# KiCad board Backplane_v2.kicad_pcb (continued)
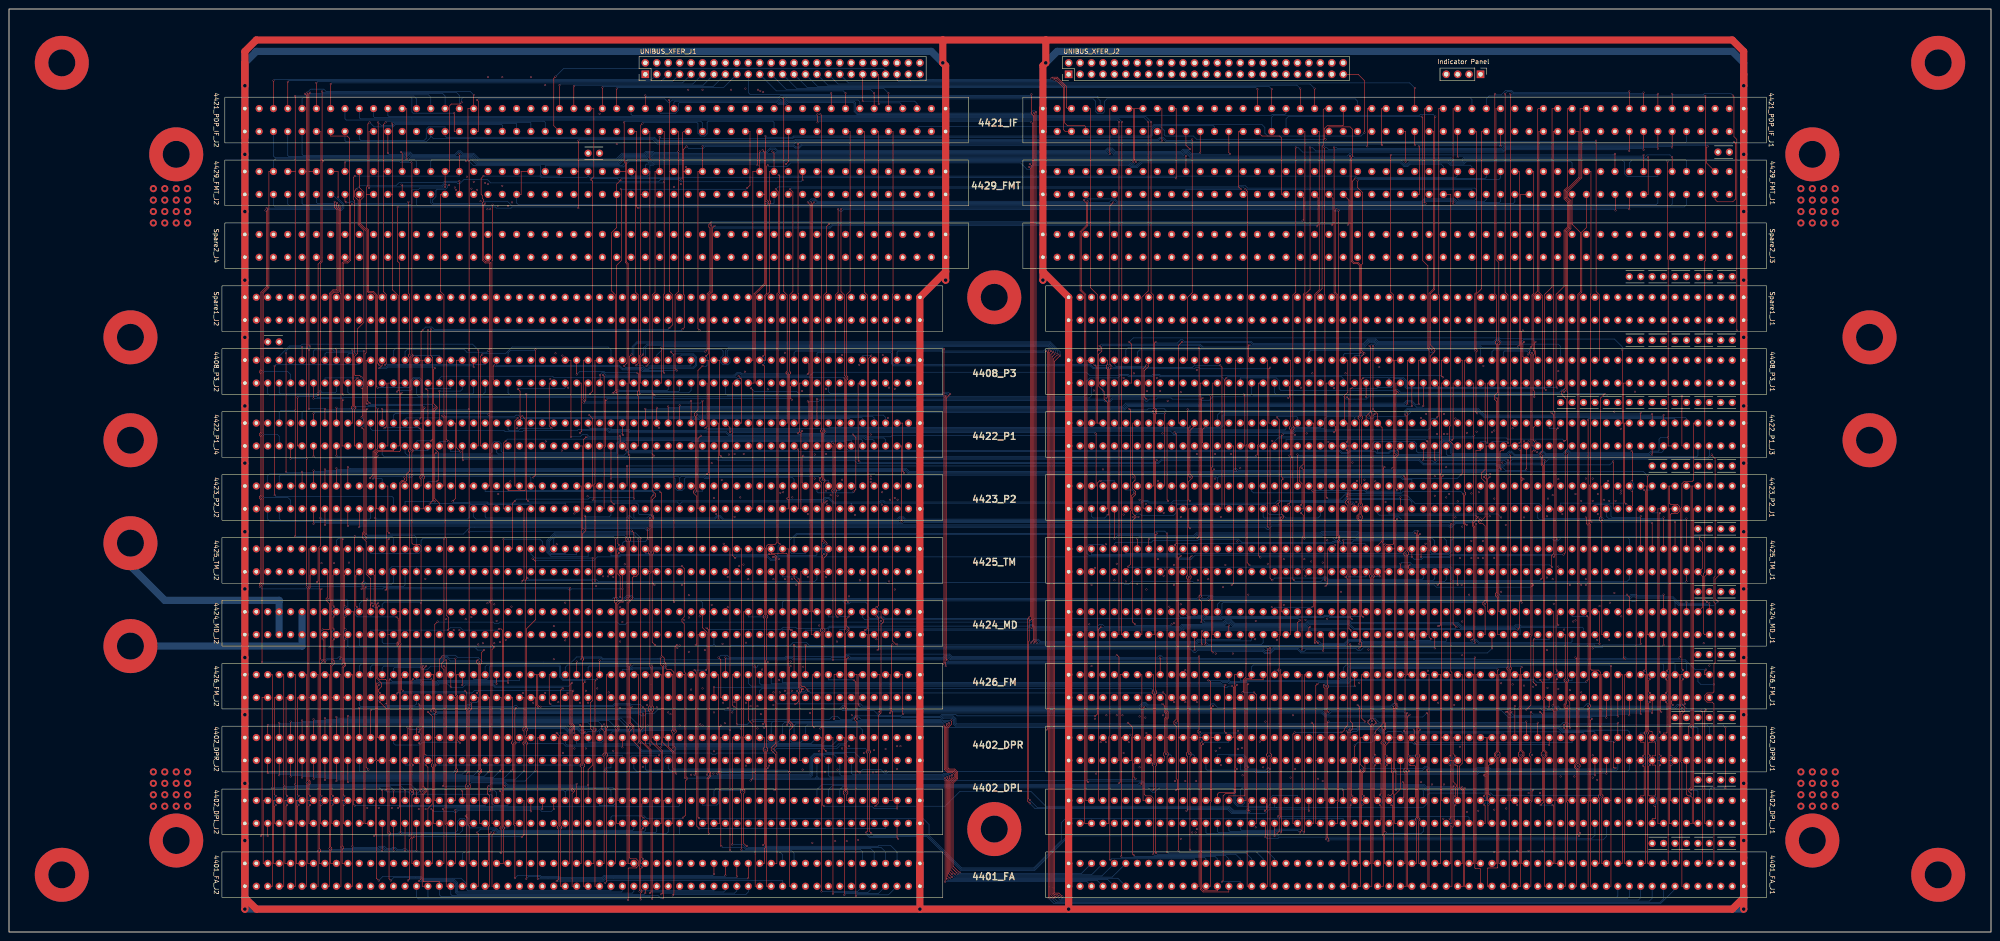
[diagram p0: board, top side]
## Routing (per net, layer and track width the routed paths; a pad name or vN(x,y) marks a point on that pad's centre or on a via; arc(x,y) is an arc through that point) (continued)
UNFL*: length 27.4
  F.SigTop w0.127: 4421_PDP_IF_J1.72 272.96,177.8 272.96,165.48 v2(273.47,164.97)
  B.Sig.Top w0.127: v2(273.47,164.97) 261.27,164.97 4429_FMT_J1.80
USECB*: length 89.8
  F.Sig.In w0.127: 4423_P2_J1.108 250.99,94.49 v2(250.99,96.01) ; 4408_P3_J2.7 195.62,127 195.62,121.41 195.87,121.16 195.87,96.52 196.63,95.76 197.01,95.76 v2(197.27,96.01)
  B.Sig.In w0.127: v2(250.99,96.01) 250.48,95.5 197.77,95.5 v2(197.27,96.01)
USEPNL*: length 170.9
  F.SigTop w0.127: 4422_P1_J4.35 160.06,112.01 v2(160.06,111) ; 4408_P3_J1.56 317.28,121.16 317.28,114.55 v2(317.03,114.3)
  B.Sig.Top w0.127: v2(317.03,114.3) 316.77,114.05 315.88,114.05 315.5,113.66 315.5,112.01 315,111.51 285.53,111.51 285.02,111 259.37,111 258.86,110.49 258.61,110.49 257.85,111.25 181.39,111.25 180.88,110.74 175.93,110.74 175.42,111.25 160.31,111.25 v2(160.06,111)
USEPSA*: length 174.2
  F.SigTop w0.127: v2(318.3,123.19) 318.04,123.44 318.04,127 4408_P3_J1.53 ; v2(161.96,123.44) 162.6,122.81 162.6,113.03 4422_P1_J4.33
  B.Sig.Top w0.127: v2(318.3,123.19) 317.92,123.57 255.69,123.57 255.43,123.82 253.91,123.82 253.65,123.57 248.7,123.57 248.45,123.82 246.54,123.82 246.29,123.57 239.94,123.57 239.18,124.33 178.6,124.33 177.71,123.44 v2(161.96,123.44)
WDPI: length 272
  F.SigTop w0.127: v2(100.75,104.77) 100.75,107.82 4422_P1_J4.82 ; 4423_P2_J1.24 356.14,93.98 v2(356.14,104.52)
  B.Sig.Top w0.127: v2(100.75,104.77) 101,105.03 157.13,105.03 157.39,104.77 187.62,104.77 188.38,104.01 255.18,104.01 255.94,104.77 312.96,104.77 313.98,103.76 329.98,103.76 330.24,103.5 331.89,103.5 332.14,103.76 355.38,103.76 v2(356.14,104.52)
WRTEXP: length 192.4
  F.SigTop w0.127: 264.2,99.06 v2(264.2,129.79) ; 264.2,99.06 264.2,87.88 v2(263.81,87.5) ; 264.2,99.06 4423_P2_J1.97 ; v2(375.31,87.75) 375.31,87.13 375.96,86.49 375.96,80.77 375.19,80.01 4425_TM_J1.10 375.96,78.99 375.96,72.14 4424_MD_J1.9
  B.Sig.Top w0.127: v2(264.2,129.79) 248.45,129.79 247.94,129.29 4408_P3_J1.109 ; v2(375.31,87.75) 375.17,87.88 299.38,87.88 299.12,88.14 291.75,88.14 291.5,87.88 264.2,87.88 v2(263.81,87.5)
WRTHM: length 200.2
  F.SigTop w0.127: v2(372.4,73.28) 4424_MD_J1.11 ; 264.7,93.98 264.7,118.36 v2(264.96,118.62) ; 264.7,93.98 4423_P2_J1.96 ; 264.7,93.98 v2(264.7,74.29) ; v2(243.62,118.62) 243.88,118.87 243.88,124.97 243.62,125.22 243.62,125.86 243.88,126.11 243.88,127 4408_P3_J1.113 ; v2(376.97,73.28) 376.46,73.79 376.46,78.99 4425_TM_J1.8
  B.Sig.Top w0.127: v2(243.62,118.62) 243.88,118.87 264.7,118.87 v2(264.96,118.62) ; v2(376.97,73.28) 376.72,73.02 372.65,73.02 v2(372.4,73.28) 372.15,73.02 370.88,73.02 369.48,74.42 361.35,74.42 361.1,74.68 360.14,74.68 359.64,74.17 267.24,74.17 266.86,74.55 266.36,74.55 265.85,74.04 264.96,74.04 v2(264.7,74.29)
WRTLM: length 196.4
  F.SigTop w0.127: 266.74,98.93 266.61,99.06 4423_P2_J1.95 ; 266.74,98.93 v2(266.74,119.13) ; 266.74,98.93 266.74,73.91 v2(266.48,73.66) ; v2(379.38,73.41) 378.75,74.04 378.75,78.36 380.02,79.63 4425_TM_J1.6
  B.Sig.Top w0.127: 369.86,73.28 369.48,73.66 361.22,73.66 360.97,73.41 360.34,73.41 360.08,73.66 v2(266.48,73.66) ; 369.86,73.28 370.62,72.52 378.5,72.52 v2(379.38,73.41) ; 369.86,73.28 4424_MD_J1.13 ; 4408_P3_J1.114 242.86,119.76 243.5,119.13 v2(266.74,119.13)
X01: length 76.5
  F.SigTop w0.127: 4423_P2_J1.9 373.67,99.06 373.67,45.72 v2(373.42,45.47) 373.67,45.21 373.67,31.75 v2(373.42,31.5)
  B.Sig.Top w0.127: v2(373.42,45.47) 374.69,45.47 374.94,45.21 4402_DPR_J1.9 ; v2(373.42,31.5) 374.69,31.5 374.94,31.24 4402_DPL_J1.9
X02: length 73.1
  F.SigTop w0.127: 4423_P2_J1.11 373.42,99.06 373.42,46.1 372.91,45.59 372.91,43.69 4402_DPR_J1.11 373.42,43.18 373.42,32.13 372.91,31.62 372.91,31.24 v2(373.42,30.73)
  B.Sig.Top w0.127: 4402_DPL_J1.11 373.42,30.23 v2(373.42,30.73)
X03: length 77
  F.SigTop w0.127: 368.84,43.18 368.84,39.24 v2(369.1,38.99) ; 368.84,43.18 368.84,92.71 369.1,92.96 370.37,92.96 370.88,93.47 370.88,94.49 370.37,95 368.84,95 368.59,95.25 368.59,99.06 4423_P2_J1.13 ; 368.84,43.18 4402_DPR_J1.13 ; 4402_DPL_J1.13 368.84,29.21 368.84,36.96 v2(369.1,37.21)
  B.Sig.Top w0.127: v2(369.1,38.99) 368.84,38.74 368.84,37.47 v2(369.1,37.21)
X04: length 75.3
  F.SigTop w0.127: v2(367.83,56.13) 368.08,55.88 368.08,53.34 v2(367.83,53.09) ; v2(366.56,37.08) 366.3,36.83 366.3,29.21 4402_DPL_J1.15 ; v2(367.83,51.05) 368.08,50.8 368.08,44.32 367.96,44.2 367.32,44.2 4402_DPR_J1.15 366.3,43.18 366.3,39.5 v2(366.68,39.12) ; 4423_P2_J1.15 368.34,99.06 368.34,58.29 v2(368.08,58.04)
  B.Sig.Top w0.127: v2(367.83,51.05) 368.34,51.56 368.34,52.58 v2(367.83,53.09) ; v2(366.68,39.12) 366.3,38.74 366.3,37.34 v2(366.56,37.08) ; v2(367.83,56.13) 368.34,56.64 368.34,57.78 v2(368.08,58.04)
X05: length 75.9
  F.SigTop w0.127: v2(364.27,53.09) 364.02,53.34 364.02,55.88 v2(364.27,56.13) ; 4402_DPL_J1.17 364.78,30.23 364.14,30.23 364.02,30.35 364.02,36.83 v2(364.27,37.08) ; v2(364.27,39.12) 364.27,39.24 364.02,39.5 364.02,42.04 364.14,42.16 364.78,42.16 4402_DPR_J1.17 364.78,44.45 364.65,44.58 364.27,44.58 364.02,44.83 364.02,50.8 v2(364.27,51.05) ; v2(363,58.04) 363.26,58.29 363.26,97.92 v2(363,98.17)
  B.Sig.Top w0.127: v2(363,98.17) 364.78,98.17 4423_P2_J1.17 ; v2(364.27,56.13) 364.14,56.13 363.76,56.51 363.76,57.4 363.13,58.04 v2(363,58.04) ; v2(364.27,37.08) 363.76,37.59 363.76,38.61 v2(364.27,39.12) ; v2(364.27,51.05) 364.02,51.05 363.76,51.31 363.76,52.58 v2(364.27,53.09)
XECLKE*: length 112.8
  F.Sig.In w0.127: 4402_DPL_J1.49 325.16,29.21 325.16,60.45 324.9,60.71 324.9,64.39 325.16,64.64 325.16,82.8 325.41,83.06 325.41,90.04 325.16,90.3 325.16,91.19 325.41,91.44 325.41,96.65 v2(324.65,97.41)
  B.Sig.In w0.127: v2(324.65,97.41) 324.27,97.79 308.65,97.79 308.52,97.66 289.6,97.66 289.47,97.54 283.88,97.54 283.5,97.92 4423_P2_J1.81
XHMCLKE*: length 99
  F.Sig.In w0.127: 4423_P2_J1.82 282.48,93.98 282.48,92.84 282.99,92.33 282.99,92.08 282.48,91.57 282.48,80.9 281.98,80.39 281.98,65.4 v2(281.47,64.9) ; v2(322.62,61.47) 322.87,61.21 322.87,41.91 v2(322.11,41.15)
  B.Sig.In w0.127: v2(322.11,41.15) 323.5,41.15 324.14,41.78 4402_DPR_J1.49 ; v2(281.47,64.9) 300.64,64.9 301.15,64.39 301.15,62.61 301.79,61.98 322.11,61.98 v2(322.62,61.47)
XIA: length 117.5
  F.SigTop w0.127: 4402_DPR_J1.45 328.2,43.18 328.2,29.21 4402_DPL_J1.45
  F.Sig.In w0.127: 4402_DPR_J1.45 328.2,43.18 328.2,91.82 v2(328.71,92.33)
  B.Sig.In w0.127: 4423_P2_J1.84 281.34,93.98 282.99,95.63 288.83,95.63 289.6,94.87 289.6,93.09 290.1,92.58 299.38,92.58 299.63,92.84 300.39,92.84 300.64,92.58 328.58,92.58 328.71,92.46 v2(328.71,92.33)
XIB: length 142.7
  F.SigTop w0.127: 4402_DPL_J1.46 328.33,24.13 328.33,28.19 v2(328.46,28.32) ; 4402_DPR_J1.46 329.22,37.21 328.71,37.21 328.46,36.96 328.46,30.61 v2(328.71,30.35)
  F.Sig.In w0.127: v2(328.84,101.73) 328.58,101.98 328.33,101.98 327.95,101.6 327.95,73.91 327.19,73.15 327.19,72.77 327.95,72.01 327.95,38.1 4402_DPR_J1.46 ; v2(273.34,103) 4423_P2_J1.89
  B.Sig.In w0.127: v2(328.84,101.73) 328.58,101.98 282.99,101.98 282.74,102.24 273.72,102.24 273.34,102.62 v2(273.34,103)
  B.Sig.Top w0.127: v2(328.71,30.35) 328.2,29.85 328.2,28.58 v2(328.46,28.32)
XLMCLKE*: length 112.4
  F.SigTop w0.127: v2(321.09,39.12) 320.58,39.62 320.58,43.18 4402_DPR_J1.51 ; 4402_DPL_J1.51 321.6,36.83 321.47,36.96 321.22,36.96 v2(321.09,37.08)
  F.Sig.In w0.127: 4402_DPR_J1.51 320.08,43.18 320.08,89.92 319.57,90.42 319.57,90.8 320.08,91.31 320.08,96.9 v2(319.69,97.28)
  B.Sig.In w0.127: v2(319.69,97.28) 319.57,97.41 296.71,97.41 296.58,97.28 281.6,97.28 280.96,97.92 4423_P2_J1.83
  B.Sig.Top w0.127: v2(321.09,37.08) 320.58,37.59 320.58,38.61 v2(321.09,39.12)
Y01: length 72.9
  F.SigTop w0.127: 4423_P2_J1.10 373.92,93.98 373.92,38.1 ; 373.92,38.1 4402_DPR_J1.10 ; 373.92,38.1 373.92,24.13 4402_DPL_J1.10
Y02: length 74.8
  F.SigTop w0.127: v2(371.64,56.13) 371.38,55.88 371.38,50.67 371.89,50.16 371.89,49.02 371.38,48.51 371.38,38.1 4402_DPR_J1.12 372.4,30.61 372.78,30.23 373.29,30.23 373.67,29.85 373.67,24.13 4402_DPL_J1.12 ; v2(371.64,58.17) 371.38,58.42 371.38,93.98 4423_P2_J1.12
  B.Sig.Top w0.127: v2(371.64,56.13) 371.38,56.39 371.38,57.91 v2(371.64,58.17)
Y2A1: length 242.7
  F.SigTop w0.127: v2(303.31,39.24) 303.06,39.5 303.06,42.42 4402_DPR_J1.65 ; v2(303.31,37.08) 303.06,36.83 303.06,29.97 4402_DPL_J1.65
  F.Sig.In w0.127: 4402_DPR_J1.65 303.82,45.09 304.84,46.1 304.84,124.84 v2(304.2,125.48)
  B.Sig.In w0.127: 4408_P3_J2.33 161.58,126.11 162.21,125.48 243.37,125.48 243.75,125.09 263.18,125.09 263.43,125.35 264.2,125.35 264.45,125.09 278.55,125.09 278.8,124.84 303.57,124.84 v2(304.2,125.48)
  B.Sig.Top w0.127: v2(303.31,39.24) 302.8,38.74 302.8,37.59 v2(303.31,37.08)
Y2A2: length 213.7
  F.SigTop w0.127: 4402_DPR_J1.67 300.01,43.18 300.01,37.21 300.77,36.45 300.77,35.94 300.26,35.43 300.26,29.21 4402_DPL_J1.67
  F.Sig.In w0.127: v2(191.3,101.22) 190.79,101.73 190.79,122.17 191.04,122.43 191.04,127 4408_P3_J2.9 ; 4402_DPR_J1.67 300.26,43.18 300.26,64.26 300.01,64.52 300.01,70.1 300.26,70.36 300.26,91.69 300.52,91.95 300.52,92.33 300.26,92.58 300.26,94.36 300.52,94.62 300.52,95 300.26,95.25 300.26,99.82 v2(300.9,100.46)
  B.Sig.In w0.127: v2(300.9,100.46) 300.64,100.71 283.5,100.71 282.48,101.73 261.66,101.73 261.4,101.47 249.08,101.47 248.83,101.22 241.72,101.22 241.34,100.84 191.68,100.84 v2(191.3,101.22)
Y2DP: length 144.2
  F.SigTop w0.127: v2(304.33,28.19) 304.58,27.94 304.58,24.89 4402_DPL_J1.66 ; 4402_DPR_J1.66 304.58,37.34 304.58,30.73 v2(304.33,30.48)
  F.Sig.In w0.127: v2(303.31,100.08) 302.8,99.57 302.8,79.5 303.06,79.25 303.06,78.87 302.8,78.61 302.8,47.24 303.06,46.99 303.06,46.74 302.93,46.61 302.93,46.36 303.06,46.23 303.06,46.1 302.8,45.85 302.8,38.1 4402_DPR_J1.66 ; v2(242.86,102.74) 4423_P2_J1.113
  B.Sig.In w0.127: v2(242.86,102.74) 265.59,102.74 266.36,101.98 282.61,101.98 283.63,100.97 302.42,100.97 v2(303.31,100.08)
  B.Sig.Top w0.127: v2(304.33,28.19) 304.84,28.7 304.84,29.97 v2(304.33,30.48)
Y2M1: length 239.2
  F.SigTop w0.127: 4402_DPL_J1.68 300.26,24.13 300.26,28.19 300.39,28.32 v2(300.52,28.32) ; 4402_DPR_J1.68 301.03,37.85 301.03,35.81 300.52,35.31 300.52,30.48 v2(300.77,30.23)
  F.Sig.In w0.127: v2(299.76,55.37) 300.01,55.12 300.01,38.1 4402_DPR_J1.68 ; v2(171.23,97.54) 170.72,97.03 170.72,86.23 170.47,85.98 170.47,83.69 170.85,83.31 171.23,83.31 171.49,83.06 171.49,82.42 171.23,82.17 170.85,82.17 170.72,82.04 170.72,56.26 v2(170.98,56.01)
  B.Sig.In w0.127: v2(170.98,56.01) 171.61,55.37 274.61,55.37 274.86,55.63 299.5,55.63 v2(299.76,55.37) ; 4423_P2_J2.49 141.26,97.66 141.39,97.54 142.4,97.54 142.78,97.92 143.55,97.92 144.18,97.28 151.29,97.28 151.67,96.9 155.61,96.9 155.99,97.28 170.98,97.28 v2(171.23,97.54)
  B.Sig.Top w0.127: v2(300.77,30.23) 300.26,29.72 300.26,28.58 v2(300.52,28.32)
Y2M2: length 259.2
  F.SigTop w0.127: v2(303.31,44.2) 303.31,44.58 304.84,46.1 304.84,86.49 305.09,86.74 305.09,103 v2(305.34,103.25) ; 4402_DPL_J1.70 297.72,24.13 297.72,28.07 v2(297.98,28.32) ; v2(298.74,41.4) 4402_DPR_J1.70 297.98,37.34 297.98,30.48 v2(298.23,30.23) ; 4423_P2_J2.53 137.2,99.06 v2(137.2,103.5)
  B.Sig.Top w0.127: v2(303.31,44.2) 302.8,43.69 302.8,42.42 302.42,42.04 299.38,42.04 v2(298.74,41.4) ; v2(137.2,103.5) 305.09,103.5 v2(305.34,103.25) ; v2(297.98,28.32) 297.72,28.58 297.72,29.72 v2(298.23,30.23)
Y03: length 73.7
  F.SigTop w0.127: 4402_DPL_J1.14 368.59,24.13 368.59,38.1 ; 368.59,38.1 4402_DPR_J1.14 ; 368.59,38.1 368.59,93.98 4423_P2_J1.14
Y04: length 73.7
  F.SigTop w0.127: 366.05,38.1 366.05,93.98 4423_P2_J1.16 ; 366.05,38.1 4402_DPR_J1.16 ; 366.05,38.1 366.05,24.13 4402_DPL_J1.16
Y05: length 75.3
  F.SigTop w0.127: v2(365.29,30.23) 365.54,30.48 365.54,36.96 365.41,37.08 364.78,37.08 4402_DPR_J1.18 364.78,39.12 365.41,39.12 365.54,39.24 365.54,41.91 v2(365.29,42.16) ; v2(366.56,44.32) 366.3,44.58 366.3,92.84 v2(366.56,93.09) ; v2(365.29,28.07) 365.54,27.81 365.54,25.27 365.41,25.15 364.78,25.15 4402_DPL_J1.18
  B.Sig.Top w0.127: v2(366.56,93.09) 364.78,93.09 4423_P2_J1.18 ; v2(365.29,42.16) 365.41,42.16 365.8,42.54 365.8,43.69 366.43,44.32 v2(366.56,44.32) ; v2(365.29,28.07) 365.8,28.58 365.8,29.72 v2(365.29,30.23)
YECLKE*: length 116.9
  F.SigTop w0.127: v2(281.72,25.65) 281.98,25.91 281.98,57.78 281.72,58.04 281.72,58.29 281.98,58.55 281.98,65.66 282.23,65.91 282.23,91.95 v2(282.48,92.2)
  B.Sig.Top w0.127: 4423_P2_J1.86 278.42,92.2 278.67,91.95 282.23,91.95 v2(282.48,92.2) ; 4402_DPL_J1.50 324.14,25.4 323.89,25.65 v2(281.72,25.65)
YHMCLKE*: length 109.1
  F.SigTop w0.127: v2(322.87,97.28) 322.87,90.68 323.12,90.42 323.12,38.1 4402_DPR_J1.50
  B.Sig.Top w0.127: v2(322.87,97.28) 322.36,97.79 309.41,97.79 309.03,97.41 297.6,97.41 297.34,97.66 289.6,97.66 289.47,97.54 276.26,97.54 275.88,97.92 4423_P2_J1.87
YIA: length 123.1
  F.SigTop w0.127: 4402_DPR_J1.47 327.95,43.18 327.95,29.21 4402_DPL_J1.47
  F.Sig.In w0.127: 4423_P2_J1.85 279.44,99.06 279.44,90.68 279.94,90.17 279.94,83.06 278.93,82.04 278.93,81.53 279.69,80.77 279.69,72.52 279.44,72.26 279.44,63.75 279.31,63.63 279.06,63.63 278.67,63.25 278.67,62.48 279.06,62.1 279.31,62.1 279.44,61.98 279.44,47.24 v2(278.93,46.74)
  B.Sig.In w0.127: 4402_DPR_J1.47 326.68,45.34 326.05,45.97 304.58,45.97 304.33,45.72 302.42,45.72 301.92,46.23 292.39,46.23 291.5,47.12 279.31,47.12 v2(278.93,46.74)
YIB: length 132.3
  F.SigTop w0.127: v2(327.44,30.23) 327.7,30.48 327.7,34.54 ; 327.7,35.05 327.7,34.54 ; 327.7,35.05 v2(327.44,34.8) 327.7,34.54 ; 327.7,35.05 327.7,38.1 4402_DPR_J1.48 ; 4402_DPL_J1.48 327.7,24.13 327.7,28.07 v2(327.44,28.32)
  F.Sig.In w0.127: 4423_P2_J1.90 274.36,93.98 274.36,42.42 273.21,41.27 273.21,40.77 274.36,39.62 274.36,35.31 v2(273.85,34.8)
  B.Sig.In w0.127: v2(273.85,34.8) 274.1,35.05 327.19,35.05 v2(327.44,34.8)
  B.Sig.Top w0.127: v2(327.44,30.23) 327.7,29.97 327.7,28.58 v2(327.44,28.32)
YLMCLKE*: length 135
  F.SigTop w0.127: v2(321.09,30.23) 321.09,32.13 321.35,32.38 321.35,32.64 320.58,33.4 320.58,38.1 4402_DPR_J1.52 ; v2(321.09,28.19) 320.84,27.94 320.84,24.89 4402_DPL_J1.52
  F.Sig.In w0.127: 4423_P2_J1.88 276.9,93.98 276.9,70.23 276.13,69.47 276.13,68.96 277.15,67.94 277.15,23.62 v2(276.77,23.24)
  B.Sig.In w0.127: 4402_DPL_J1.52 321.6,23.11 321.35,22.86 277.15,22.86 v2(276.77,23.24)
  B.Sig.Top w0.127: v2(321.09,30.23) 320.58,29.72 320.58,28.7 v2(321.09,28.19)
Net-(J1-Pin_2): length 10.6
  F.Sig.In w0.254: 4401_FA_J1.6 378.75,11.43 378.75,18.41 J1.2
Net-(J2-Pin_2): length 12.7
  F.Sig.In w0.254: J2.2 372.4,18.29 373.29,17.4 375.19,17.4 376.21,16.38 376.21,11.43 4401_FA_J1.8
Net-(J3-Pin_2): length 17.5
  F.Sig.In w0.254: 4401_FA_J1.10 374.94,11.43 373.67,12.7 367.32,12.7 366.05,13.97 366.05,18.41 J3.2
Net-(J4-Pin_1): length 5.6
  F.Sig.In w0.254: J4.1 380.02,31.24 4402_DPL_J1.5
Net-(J5-Pin_2): length 4.4
  F.Sig.In w0.254: 4402_DPL_J1.6 J5.2
Net-(J6-Pin_1): length 4.4
  F.Sig.In w0.254: J6.1 4402_DPR_J1.5
Net-(J7-Pin_2): length 4.3
  F.Sig.In w0.254: 4402_DPR_J1.6 J7.2
Net-(J8-Pin_1): length 4.4
  F.Sig.In w0.254: J8.1 4426_FM_J1.5
Net-(J9-Pin_2): length 5.5
  F.Sig.In w0.254: J9.2 377.48,48.64 380.02,51.18 4426_FM_J1.6
Net-(J10-Pin_2): length 6.9
  F.Sig.In w0.127: 4426_FM_J1.8 377.1,52.07 ; 372.65,47.62 J10.2
  F.Sig.In w0.254: 377.1,52.07 372.65,47.62
Net-(J11-Pin_2): length 10.5
  F.Sig.In w0.254: 4426_FM_J1.10 376.08,53.21 376.08,60.45 J11.2
Net-(J12-Pin_1): length 4.4
  F.Sig.In w0.254: J12.1 4424_MD_J1.5
Net-(J13-Pin_2): length 10.6
  F.Sig.In w0.254: J13.2 378.75,74.29 378.75,67.31 4424_MD_J1.6
Net-(J14-Pin_1): length 4.4
  F.Sig.In w0.254: J14.1 4425_TM_J1.5
Net-(J15-Pin_1): length 4.4
  F.Sig.In w0.254: J15.1 4423_P2_J1.5
Net-(J16-Pin_2): length 5.5
  F.Sig.In w0.254: 4423_P2_J1.6 380.02,93.09 377.48,90.55 J16.2
Net-(J17-Pin_1): length 14.6
  F.Sig.In w0.254: 4422_P1_J3.5 380.02,111.76 378.75,110.49 375.45,110.49 373.67,108.71 373.67,104.77 J17.1
Net-(J18-Pin_1): length 16.8
  F.Sig.In w0.254: 4422_P1_J3.7 377.48,112.27 376.59,111.38 371.38,111.38 368.59,108.58 368.59,104.77 J18.1
Net-(J19-Pin_2): length 5.5
  F.Sig.In w0.254: J19.2 377.48,104.52 380.02,107.06 4422_P1_J3.6
Net-(J20-Pin_1): length 4.4
  F.Sig.In w0.254: 4408_P3_J1.5 J20.1
Net-(J21-Pin_1): length 4.4
  F.Sig.In w0.254: J21.1 4408_P3_J1.7
Net-(J22-Pin_1): length 5.5
  F.Sig.In w0.254: J22.1 372.4,130.43 374.94,127.89 4408_P3_J1.9
Net-(J23-Pin_1): length 8.6
  F.Sig.In w0.254: 4408_P3_J1.11 372.4,128.78 371.64,129.54 368.21,129.54 367.32,130.43 J23.1
Net-(J24-Pin_1): length 11.3
  F.Sig.In w0.254: 4408_P3_J1.13 369.86,128.14 369.35,128.65 363,128.65 362.24,129.41 J24.1
Net-(J25-Pin_2): length 22.3
  F.Sig.In w0.254: 4408_P3_J1.25 355.89,128.27 355.89,144.53 356.91,145.54 J25.2
Net-(J26-Pin_2): length 20.6
  B.Sig.In w0.254: J26.2 363.51,144.27 363.51,134.87 360.97,132.33 360.97,128.27 4408_P3_J1.21
Net-(J27-Pin_2): length 24.4
  B.Sig.In w0.254: 4408_P3_J1.19 362.24,128.65 363.13,129.54 367.7,129.54 368.59,130.43 368.59,144.27 J27.2
Net-(J28-Pin_2): length 27
  B.Sig.In w0.254: 4408_P3_J1.17 364.78,128.02 365.41,128.65 372.65,128.65 373.67,129.67 373.67,144.27 J28.2
Net-(J29-Pin_2): length 33.7
  B.Sig.In w0.254: J29.2 378.75,144.27 378.75,125.73 377.86,124.84 368.34,124.84 367.32,125.86 4408_P3_J1.15
Net-(J30-Pin_2): length 4.3
  F.Sig.In w0.254: 4408_P3_J1.6 J30.2
Net-(J31-Pin_2): length 4.3
  F.Sig.In w0.254: 4408_P3_J1.8 J31.2
Net-(J32-Pin_2): length 5.4
  F.Sig.In w0.254: 4408_P3_J1.10 374.94,121.03 372.4,118.49 J32.2
Net-(J33-Pin_2): length 8.7
  F.Sig.In w0.254: J33.2 367.32,119 367.83,119.51 371.64,119.51 372.4,120.27 4408_P3_J1.12
Net-(J34-Pin_2): length 11
  F.Sig.In w0.254: 4408_P3_J1.14 369.86,120.65 369.23,120.01 363.13,120.01 362.24,119.13 J34.2
Net-(J35-Pin_1): length 21.7
  B.Sig.In w0.254: J35.1 348.27,118.87 348.27,122.81 349.41,123.95 361.35,123.95 362.24,123.06 4408_P3_J1.20
Net-(J36-Pin_1): length 15.9
  B.Sig.In w0.254: 4408_P3_J1.18 364.78,121.16 364.27,120.65 353.48,120.65 352.08,119.25 J36.1
Net-(J37-Pin_1): length 13.4
  B.Sig.In w0.254: 4408_P3_J1.16 367.32,120.52 366.3,119.51 358.05,119.51 357.16,118.62 J37.1
Net-(J38-Pin_2): length 4.4
  F.Sig.In w0.254: 128.56,173.36 4421_PDP_IF_J2.52
Net-(J40-Pin_2): length 4.4
  F.Sig.In w0.254: 57.44,131.44 4408_P3_J2.115
Net-(J41-Pin_2): length 4.8
  F.Sig.In w0.254: J41.2 378.75,173.86 4421_PDP_IF_J1.6

## Copper pours and planes (outline as drawn; the poured copper is in the pictures)
+5V on F.SigTop: 385.1,5.08 397.8,5.08 410.5,15.24 410.5,38.1 392.72,58.42 392.72,134.62 410.69,154.94 410.69,177.8 387.64,195.58 385.1,195.58
+5V on F.SigTop: 39.66,5.08 26.96,15.24 26.96,38.1 44.74,58.42 44.74,134.62 26.96,154.94 26.96,177.8 50.01,195.58 52.55,195.58 52.36,5.08
+5V on B.Sig.Top: 385.1,5.08 397.8,5.08 410.5,15.24 410.5,38.1 392.72,58.42 392.72,134.62 410.69,154.94 410.69,177.8 387.64,195.58 385.1,195.58
+5V on B.Sig.Top: 52.36,5.08 39.66,5.08 26.96,15.24 26.96,38.1 44.74,58.42 52.36,58.42
+5V on B.Sig.Top: 52.55,195.58 50.01,195.58 26.96,177.8 26.96,154.94 44.74,134.62 44.74,76.2 52.36,76.2
+5V on F.Sig.In: 387.64,195.58 410.75,177.8 410.75,154.94 392.72,134.62 392.72,132.08 384.97,132.08 385.1,195.58
+5V on F.Sig.In: 26.96,154.94 26.96,177.8 49.95,195.58 52.36,195.58 52.36,131.95 44.74,131.83 44.74,134.62
+5V on F.Sig.In: 52.36,5.08 39.66,5.08 26.96,15.24 26.96,38.1 44.74,58.42 44.74,60.96 52.36,60.96
+5V on F.Sig.In: 385.1,5.08 397.8,5.08 410.5,15.24 410.5,38.1 392.72,58.42 392.72,60.96 385.1,60.96
+5V on B.Sig.In: 385.1,5.08 397.8,5.08 410.5,15.24 410.5,38.1 392.72,58.42 392.72,60.96 385.1,60.96
+5V on B.Sig.In: 52.36,195.58 49.95,195.58 26.96,177.8 26.96,154.94 44.74,134.62 44.74,132.08 52.36,132.08
+5V on B.Sig.In: 385.1,195.58 387.64,195.58 410.75,177.8 410.75,154.94 392.72,134.62 392.72,132.08 385.1,132.08
+5V on B.Sig.In: 52.36,5.08 39.66,5.08 26.96,15.24 26.96,38.1 44.74,58.42 44.74,60.96 52.36,60.96
GND on F.GND: 0.04,204.98 0.04,0 439.96,0 439.96,204.98
GND on B.GND: 0.04,204.98 0.04,0 439.96,0 439.96,204.98

## Text on the board
B.Silkscreen: 4421_PDP_IF_J2 | 4429_FMT_J2 | Spare2_J4 | Spare1_J2 | 4408_P3_J2 | 4422_P1_J4 | 4423_P2_J2 | 4425_TM_J2 | 4424_MD_J2 | 4426_FM_J2 | 4402_DPR_J2 | 4421_PDP_IF_J1 | 4429_FMT_J1 | Spare2_J3 | Spare1_J1 | 4408_P3_J1 | 4422_P1_J3 | 4423_P2_J1 | 4425_TM_J1 | 4424_MD_J1 | 4426_FM_J1 | 4402_DPR_J1 | 4402_DPL_J1 | 4401_FA_J1 | UNIBUS_XFER_J1 | UNIBUS_XFER_J2 | Indicator Panel | 4402_DPL_J2 | 4401_FA_J2 | 99 | 100 | 119 | 120 | 109 | 110 | 89 | 90 | 79 | 80 | 69 | 70 | 59 | 60 | 49 | 50 | 39 | 40 | 29 | 30 | 19 | 20 | 9 | 10 | 1 | 2 | 4421_IF | 4408_P3 | 4422_P1 | 4423_P2 | 4425_TM | 4424_MD | 4426_FM | 4401_FA | 4429_FMT | 4402_DPR | 4402_DPL | FPS-100 BACKPLANE / REV. 0.1 | B | A
F.Silkscreen: 4429_FMT | 4408_P3 | 4422_P1 | 4423_P2 | 4425_TM | 4424_MD | 4426_FM | 4402_DPR | 4402_DPL | 4401_FA | 4421_IF
